# Allegro board 6089-119-RevB_08.brd (continued)
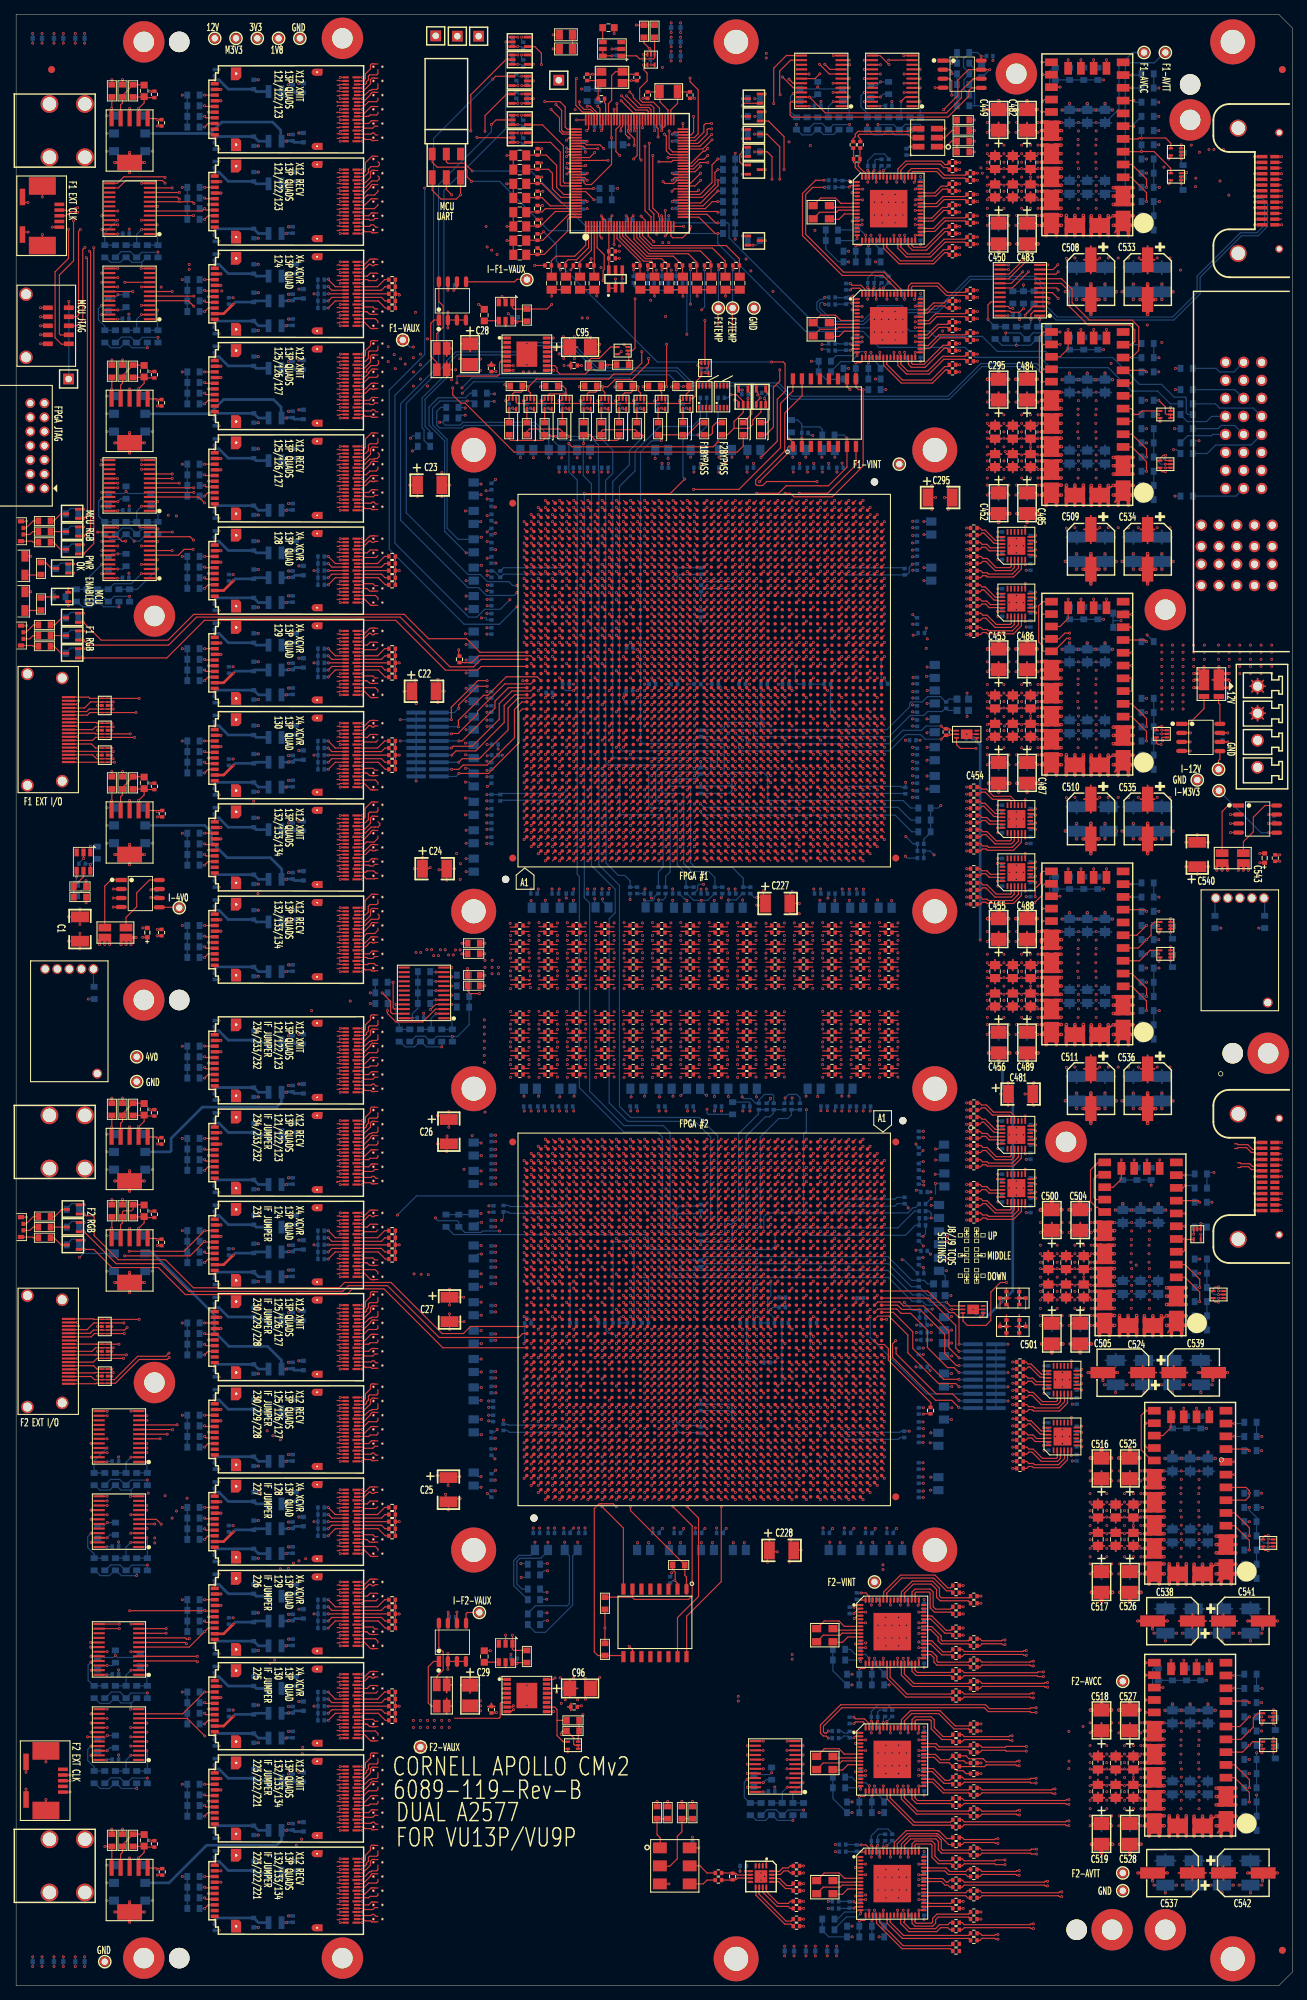
[diagram p0: board, top side]
## Routing (per net, layer and track width the routed paths; a pad name or vN(x,y) marks a point on that pad's centre or on a via; arc(x,y) is an arc through that point) (continued)
  TOP w0.38: U24.2 v1(28.87,267.2) ; U16.6 v1(16,218.84) ; U16.6 v1(13.92,217.4) ; U16.6 v1(18.08,217.4) ; U16.6 v1(16,215.97) ; U19.6 v1(13.92,159.4) ; U19.6 v1(16,160.84) ; U19.6 v1(16,157.97) ; U19.6 v1(18.08,159.4) ; U28.2 v1(28.87,215.2) ; C537.2 v1(158.12,15.9) ; C537.2 v1(162.28,15.9) ; C537.2 v1(160.2,14.77) ; 175.7,51.4 v1(173.62,51.4) ; 175.7,51.4 C541.2 v1(177.78,51.4) ; 175.7,51.4 v1(175.7,50.27) ; U26.4 v1(28.87,239.6) ; U33.2 v1(28.87,150.2) ; U13.6 v1(16,258.34) ; U13.6 v1(13.92,256.9) ; U13.6 v1(18.08,256.9) ; U13.6 v1(16,255.47) ; C538.2 v1(162.28,51.4) ; C538.2 v1(160.2,50.27) ; C538.2 v1(158.12,51.4) ; U20.6 v1(16,114.84) ; U20.6 v1(13.92,113.4) ; U20.6 v1(18.08,113.4) ; U20.6 v1(16,111.97) ; v1(170.78,86.4) C539.2 168.7,86.4 ; U30.4 v1(28.87,187.6) ; U41.2 v1(28.87,42.2) ; v1(175.7,14.77) 175.7,15.9 ; 175.7,15.9 v1(173.62,15.9) ; 175.7,15.9 C542.2 v1(177.78,15.9) ; U25.4 v1(28.87,252.6) ; U24.4 v1(28.87,265.6) ; U37.4 v1(28.87,92.6) ; v1(168.7,85.27) 168.7,86.4 ; 168.7,86.4 v1(166.62,86.4) ; C524.2 v1(155.28,86.4) ; C524.2 v1(151.12,86.4) ; C524.2 v1(153.2,85.27) ; U37.2 v1(28.87,94.2) ; U38.4 v1(28.87,79.6) ; U40.4 v1(28.87,53.6) ; U22.6 v1(13.92,10.4) ; U22.6 v1(18.08,10.4) ; U22.6 v1(16,11.84) ; U22.6 v1(16,8.97) ; U21.6 v1(18.08,99.1) ; U21.6 v1(16,97.67) ; U21.6 v1(16,100.54) ; U21.6 v1(13.92,99.1) ; U30.2 v1(28.87,189.2) ; U32.4 v1(28.87,161.6) ; U32.2 v1(28.87,163.2) ; U29.2 v1(28.87,202.2) ; U29.4 v1(28.87,200.6) ; U25.2 v1(28.87,254.2) ; U39.2 v1(28.87,68.2) ; U28.4 v1(28.87,213.6) ; U31.4 v1(28.87,174.6) ; U31.2 v1(28.87,176.2) ; U42.4 v1(28.87,27.6) ; U39.4 v1(28.87,66.6) ; U27.4 v1(28.87,226.6) ; U35.2 v1(28.87,120.2) ; U36.2 v1(28.87,107.2) ; U38.2 v1(28.87,81.2) ; U42.2 v1(28.87,29.2) ; U33.4 v1(28.87,148.6) ; U40.2 v1(28.87,55.2) ; U27.2 v1(28.87,228.2) ; U26.2 v1(28.87,241.2) ; U36.4 v1(28.87,105.6) ; U35.4 v1(28.87,118.6) ; U41.4 v1(28.87,40.6) ; U34.4 v1(28.87,131.6) ; U34.2 v1(28.87,133.2)
  TOP w0.5: v1(147.41,109.36) C500.2 ; C500.2 v1(146,110.6) ; C500.2 144.44,109.36 144.44,109.29 v1(144.37,109.29) ; C536.2 v1(159.5,121.52) ; C536.2 v1(158.45,123.6) ; C536.2 v1(159.5,125.8) ; C536.2 v1(160.65,123.6) ; 170.55,25.95 171,25.5 v1(171.93,25.5) ; 170.55,25.95 170.55,26.68 ; 170.55,25.95 170.1,25.5 v1(169.17,25.5) ; 156.05,252.18 156.05,251.45 ; 156.05,252.18 v1(157.43,252.18) ; 156.05,252.18 v1(154.67,252.18) ; 156.05,252.18 156.05,252.8 ; 156.05,251.45 156.5,251 v1(157.43,251) ; 156.05,251.45 155.6,251 v1(154.67,251) ; 163.55,96.45 163.1,96 v1(162.17,96) ; 163.55,96.45 164,96 v1(164.93,96) ; 163.55,96.45 U109.2 ; U108.24 145.95,140.15 ; U108.24 v1(147.33,140.88) ; U108.24 145.95,141.5 ; U108.24 v1(144.57,140.88) ; 145.95,140.15 145.5,139.7 v1(144.57,139.7) ; 145.95,140.15 146.4,139.7 v1(147.33,139.7) ; C509.2 152.65,199.6 ; C509.2 150.45,199.6 ; C509.2 v1(151.5,197.52) ; C509.2 v1(151.5,201.8) ; 160.45,65.5 160.45,65.55 160.95,66.05 v1(161.83,66.05) ; 160.45,65.5 U117.24 ; 160.45,65.5 159.9,66.05 v1(159.07,66.05) ; v1(150.45,249.45) 150.45,248.57 149.95,248.07 149.93,248.07 ; v1(154.83,98.7) 153.9,98.7 153.45,99.15 ; 149.25,172.07 148.53,172.07 ; 149.25,172.07 149.93,172.07 ; 149.25,172.07 v1(149.25,173.45) ; 149.25,172.07 U107.27 v1(149.25,170.6) ; 148.53,172.07 148.05,172.55 v1(148.05,173.45) ; 148.53,172.07 148.05,171.6 v1(148.05,170.6) ; v1(164.95,21.1) 164.95,22.05 164.43,22.57 ; v1(144.59,90.44) C501.2 ; C501.2 v1(146,89.2) ; C501.2 v1(147.56,90.44) ; 149.93,172.07 149.95,172.07 150.45,172.57 v1(150.45,173.45) ; 149.93,172.07 150.45,171.55 v1(150.45,170.6) ; 149.25,134.07 v1(149.25,135.45) ; 149.25,134.07 148.53,134.07 ; 149.25,134.07 U108.27 v1(149.25,132.6) ; 149.25,134.07 149.93,134.07 ; 145.95,254.15 146.4,253.7 v1(147.33,253.7) ; 145.95,254.15 145.95,254.88 ; 145.95,254.15 145.5,253.7 v1(144.57,253.7) ; v1(158.45,161.6) C535.2 ; C535.2 v1(159.5,159.52) ; C535.2 v1(159.5,163.8) ; C535.2 v1(160.65,161.6) ; v1(147.33,180.05) 146.45,180.05 145.95,179.55 145.95,179.5 ; C487.2 v1(142.5,168.2) ; C487.2 v1(144.06,169.44) ; C487.2 v1(141.09,169.44) ; v1(164.95,56.6) 164.95,57.55 164.43,58.08 ; U106.2 156.05,213.45 ; U106.2 v1(154.67,214.18) ; U106.2 v1(157.43,214.18) ; U106.2 156.05,214.8 ; 156.05,213.45 155.6,213 v1(154.67,213) ; 156.05,213.45 156.5,213 v1(157.43,213) ; 153.45,100.5 152.9,101.05 v1(152.07,101.05) ; 153.45,100.5 U109.24 ; 153.45,100.5 153.45,100.55 153.95,101.05 v1(154.83,101.05) ; 163.75,58.08 163.03,58.08 ; 163.75,58.08 v1(163.75,59.45) ; 163.75,58.08 164.43,58.08 ; 163.75,58.08 v1(163.75,56.6) ; 163.03,58.08 162.55,57.6 v1(162.55,56.6) ; 163.03,58.08 162.55,58.55 v1(162.55,59.45) ; C511.2 152.65,123.6 ; C511.2 v1(151.5,125.8) ; C511.2 150.45,123.6 ; C511.2 v1(151.5,121.52) ; U117.24 160.45,64.15 ; U117.24 v1(159.07,64.88) ; U117.24 v1(161.83,64.88) ; 156.05,252.8 155.5,253.35 v1(154.67,253.35) ; 156.05,252.8 156.05,252.85 156.55,253.35 v1(157.43,253.35) ; v1(169.17,27.85) 170,27.85 170.55,27.3 ; v1(158.56,55.44) C526.2 ; C526.2 v1(155.59,55.44) ; C526.2 v1(157,54.2) ; 145.95,141.5 145.4,142.05 v1(144.57,142.05) ; 145.95,141.5 145.95,141.55 146.45,142.05 v1(147.33,142.05) ; C483.2 v1(142.5,244.2) ; C483.2 v1(141.09,245.44) ; C483.2 v1(144.06,245.44) ; v1(147.33,256.05) 146.45,256.05 145.95,255.55 145.95,255.5 ; v1(161.83,63.7) 160.9,63.7 160.45,64.15 ; v1(158.45,199.6) C534.2 ; C534.2 v1(159.5,201.8) ; C534.2 v1(159.5,197.52) ; C534.2 v1(160.65,199.6) ; 148.53,134.07 148.05,133.6 v1(148.05,132.6) ; 148.53,134.07 148.05,134.55 v1(148.05,135.45) ; v1(137.09,245.44) C450.2 ; C450.2 v1(138.5,244.2) ; C450.2 v1(140.06,245.44) ; 156.05,175.45 155.6,175 v1(154.67,175) ; 156.05,175.45 U107.2 ; 156.05,175.45 156.5,175 v1(157.43,175) ; 160.45,28.65 160.9,28.2 v1(161.83,28.2) ; 160.45,28.65 U118.24 ; 160.45,28.65 160,28.2 v1(159.07,28.2) ; 145.95,179.5 145.4,180.05 v1(144.57,180.05) ; 145.95,179.5 U107.24 ; 170.55,61.45 171,61 v1(171.93,61) ; 170.55,61.45 U117.2 ; 170.55,61.45 170.1,61 v1(169.17,61) ; 156.75,93.08 v1(156.75,94.45) ; 156.75,93.08 156.03,93.08 ; 156.75,93.08 157.43,93.08 ; 156.75,93.08 U109.27 v1(156.75,91.6) ; v1(140.94,226.36) C484.2 ; C484.2 v1(142.5,227.6) ; C484.2 v1(143.91,226.36) ; v1(140.94,188.36) C486.2 ; C486.2 v1(143.91,188.36) ; C486.2 v1(142.5,189.6) ; U109.24 v1(152.07,99.88) ; U109.24 v1(154.83,99.88) ; U109.24 153.45,99.15 ; 145.95,217.5 U106.24 ; 145.95,217.5 145.4,218.05 v1(144.57,218.05) ; 145.95,217.5 145.95,217.55 146.45,218.05 v1(147.33,218.05) ; U106.24 145.95,216.15 ; U106.24 v1(144.57,216.88) ; U106.24 v1(147.33,216.88) ; v1(171.93,63.35) 171.05,63.35 170.55,62.85 170.55,62.8 ; v1(155.44,38.86) C527.2 ; C527.2 v1(158.41,38.86) ; C527.2 v1(157,40.1) ; U108.2 v1(154.67,138.18) ; U108.2 v1(157.43,138.18) ; U108.2 156.05,138.8 ; U108.2 156.05,137.45 ; v1(144.57,256.05) 145.4,256.05 145.95,255.5 ; 163.55,97.8 163.55,97.85 164.05,98.35 v1(164.93,98.35) ; 163.55,97.8 163,98.35 v1(162.17,98.35) ; 163.55,97.8 U109.2 ; C516.2 v1(153,75.6) ; C516.2 v1(151.44,74.36) ; C516.2 v1(154.41,74.36) ; v1(148.44,109.36) C504.2 ; C504.2 v1(151.41,109.36) ; C504.2 v1(150,110.6) ; C454.2 v1(138.5,168.2) ; C454.2 v1(137.09,169.44) ; C454.2 v1(140.06,169.44) ; C508.2 150.45,237.6 ; C508.2 152.65,237.6 ; C508.2 v1(151.5,239.8) ; C508.2 v1(151.5,235.52) ; 160.45,30 159.9,30.55 v1(159.07,30.55) ; 160.45,30 U118.24 ; 160.45,30 160.45,30.05 160.95,30.55 v1(161.83,30.55) ; 153.45,99.15 153,98.7 v1(152.07,98.7) ; U117.2 v1(171.93,62.17) ; U117.2 170.55,62.8 ; U117.2 v1(169.17,62.17) ; v1(164.95,23.95) 164.95,23.07 164.45,22.57 164.43,22.57 ; 156.05,137.45 156.5,137 v1(157.43,137) ; 156.05,137.45 155.6,137 v1(154.67,137) ; v1(171.93,27.85) 171.05,27.85 170.55,27.35 170.55,27.3 ; C518.2 v1(153,40.1) ; C518.2 v1(151.44,38.86) ; C518.2 v1(154.41,38.86) ; C510.2 152.65,161.6 ; C510.2 150.45,161.6 ; C510.2 v1(151.5,159.52) ; C510.2 v1(151.5,163.8) ; 163.03,22.57 162.55,22.1 v1(162.55,21.1) ; 163.03,22.57 163.75,22.57 ; 163.03,22.57 162.55,23.05 v1(162.55,23.95) ; C488.2 v1(142.5,151.6) ; C488.2 v1(140.94,150.36) ; C488.2 v1(143.91,150.36) ; 149.93,210.07 149.25,210.07 ; 149.93,210.07 150.45,209.55 v1(150.45,208.6) ; 149.93,210.07 149.95,210.07 150.45,210.57 v1(150.45,211.45) ; 149.25,210.07 148.53,210.07 ; 149.25,210.07 v1(149.25,211.45) ; 149.25,210.07 U106.27 v1(149.25,208.6) ; v1(136.94,150.36) C455.2 ; C455.2 v1(138.5,151.6) ; C455.2 v1(139.91,150.36) ; v1(148.05,246.6) 148.05,247.6 148.53,248.07 ; U109.2 v1(164.93,97.17) ; U109.2 v1(162.17,97.17) ; 145.95,254.88 v1(144.57,254.88) ; 145.95,254.88 v1(147.33,254.88) ; 145.95,254.88 145.95,255.5 ; v1(158.41,74.36) C525.2 ; C525.2 v1(157,75.6) ; C525.2 v1(155.44,74.36) ; 170.55,62.8 170,63.35 v1(169.17,63.35) ; 163.75,22.57 U118.27 v1(163.75,21.1) ; 163.75,22.57 v1(163.75,23.95) ; 163.75,22.57 164.43,22.57 ; 156.05,214.8 156.05,214.85 156.55,215.35 v1(157.43,215.35) ; 156.05,214.8 155.5,215.35 v1(154.67,215.35) ; v1(150.45,135.45) 150.45,134.57 149.95,134.07 149.93,134.07 ; v1(144.57,177.7) 145.5,177.7 145.95,178.15 ; v1(140.06,207.44) C452.2 ; C452.2 v1(138.5,206.2) ; C452.2 v1(137.09,207.44) ; 145.95,178.15 146.4,177.7 v1(147.33,177.7) ; 145.95,178.15 U107.24 ; U107.24 v1(144.57,178.88) ; U107.24 v1(147.33,178.88) ; 149.93,248.07 149.25,248.07 ; 149.93,248.07 150.45,247.55 v1(150.45,246.6) ; 149.25,248.07 U105.27 v1(149.25,246.6) ; 149.25,248.07 148.53,248.07 ; 149.25,248.07 v1(149.25,249.45) ; v1(154.56,19.94) C519.2 ; C519.2 v1(151.59,19.94) ; C519.2 v1(153,18.7) ; 148.53,210.07 148.05,209.6 v1(148.05,208.6) ; 148.53,210.07 148.05,210.55 v1(148.05,211.45) ; v1(137.09,131.44) C456.2 ; C456.2 v1(138.5,130.2) ; C456.2 v1(140.06,131.44) ; v1(157.43,139.35) 156.55,139.35 156.05,138.85 156.05,138.8 ; v1(139.91,226.36) C451.2 ; C451.2 v1(136.94,226.36) ; C451.2 v1(138.5,227.6) ; v1(151.56,90.44) C505.2 ; C505.2 v1(148.59,90.44) ; C505.2 v1(150,89.2) ; C528.2 v1(157,18.7) ; C528.2 v1(158.56,19.94) ; C528.2 v1(155.59,19.94) ; 149.93,134.07 150.45,133.55 v1(150.45,132.6) ; 156.03,93.08 155.55,92.6 v1(155.55,91.6) ; 156.03,93.08 155.55,93.55 v1(155.55,94.45) ; C533.2 v1(160.65,237.6) ; C533.2 v1(158.45,237.6) ; C533.2 v1(159.5,235.52) ; C533.2 v1(159.5,239.8) ; v1(141.09,131.44) C489.2 ; C489.2 v1(144.06,131.44) ; C489.2 v1(142.5,130.2) ; 164.43,58.08 164.45,58.08 164.95,58.58 v1(164.95,59.45) ; v1(144.06,207.44) C485.2 ; C485.2 v1(142.5,206.2) ; C485.2 v1(141.09,207.44) ; U118.24 v1(159.07,29.38) ; U118.24 v1(161.83,29.38) ; 148.53,248.07 148.05,248.55 v1(148.05,249.45) ; 160.45,64.15 160,63.7 v1(159.07,63.7) ; 170.55,26.68 170.55,27.3 ; 170.55,26.68 v1(169.17,26.68) ; 170.55,26.68 v1(171.93,26.68) ; v1(136.94,188.36) C453.2 ; C453.2 v1(138.5,189.6) ; C453.2 v1(139.91,188.36) ; 156.05,138.8 155.5,139.35 v1(154.67,139.35) ; v1(139.91,264.36) C449.2 ; C449.2 v1(138.5,265.6) ; C449.2 v1(136.94,264.36) ; C517.2 v1(153,54.2) ; C517.2 v1(151.59,55.44) ; C517.2 v1(154.56,55.44) ; 145.95,216.15 146.4,215.7 v1(147.33,215.7) ; 145.95,216.15 145.5,215.7 v1(144.57,215.7) ; 157.43,93.08 157.95,92.55 v1(157.95,91.6) ; 157.43,93.08 157.45,93.08 157.95,93.58 v1(157.95,94.45) ; v1(157.43,177.35) 156.55,177.35 156.05,176.85 156.05,176.8 ; v1(140.94,264.36) C482.2 ; C482.2 v1(142.5,265.6) ; C482.2 v1(143.91,264.36) ; U107.2 v1(154.67,176.18) ; U107.2 156.05,176.8 ; U107.2 v1(157.43,176.18) ; v1(154.67,177.35) 155.5,177.35 156.05,176.8
  GND1 w0.254: VA40.3 51.96,168.58 ; VA40.3 52.05,168.71 ; VA40.3 51.63,169.28 ; VA40.3 51.82,169.31 ; VA40.3 52.02,168.9 ; VA40.3 52.05,169.09 ; VA40.3 51.63,168.52 ; VA40.3 51.96,169.22 ; VA46.4 51.96,156.08 ; VA46.4 51.63,156.78 ; VA46.4 52.02,156.4 ; VA46.4 51.63,156.02 ; VA46.4 52.05,156.59 ; VA46.4 51.96,156.72 ; VA46.4 51.82,156.81 ; VA46.4 52.05,156.21 ; VA60.3 50.37,121.78 ; VA60.3 49.95,121.59 ; VA60.3 50.18,120.99 ; VA60.3 50.37,121.02 ; VA60.3 50.04,121.72 ; VA60.3 49.95,121.21 ; VA60.3 49.98,121.4 ; VA60.3 50.04,121.08 ; 49.98,82.4 VA76.3 ; VA76.3 49.95,82.59 ; VA76.3 50.04,82.08 ; VA76.3 50.18,81.99 ; VA76.3 50.37,82.78 ; VA76.3 49.95,82.21 ; VA76.3 50.37,82.02 ; VA76.3 50.04,82.72 ; VA66.4 51.96,107.22 ; VA66.4 51.63,107.28 ; VA66.4 51.96,106.58 ; VA66.4 52.05,106.71 ; VA66.4 52.05,107.09 ; VA66.4 51.82,107.31 ; VA66.4 52.02,106.9 ; VA66.4 51.63,106.52 ; 49.95,78.59 VA78.3 ; VA78.3 50.04,78.08 ; VA78.3 50.04,78.72 ; VA78.3 50.18,77.99 ; VA78.3 49.98,78.4 ; VA78.3 50.37,78.78 ; VA78.3 49.95,78.21 ; VA78.3 50.37,78.02 ; 50.04,36.58 VA91.4 ; VA91.4 50.18,36.49 ; VA91.4 49.95,36.71 ; VA91.4 50.04,37.22 ; VA91.4 49.98,36.9 ; VA91.4 49.95,37.09 ; VA91.4 50.37,37.28 ; VA91.4 50.37,36.52 ; VA82.4 51.96,67.58 ; VA82.4 51.96,68.22 ; VA82.4 51.82,68.31 ; VA82.4 52.05,67.71 ; VA82.4 52.05,68.09 ; VA82.4 51.63,68.28 ; VA82.4 51.63,67.52 ; VA82.4 52.02,67.9 ; 49.95,80.21 VA77.3 ; VA77.3 50.37,80.78 ; VA77.3 50.04,80.72 ; VA77.3 49.95,80.59 ; VA77.3 50.04,80.08 ; VA77.3 50.18,79.99 ; VA77.3 49.98,80.4 ; VA77.3 50.37,80.02 ; 51.63,99.52 VA68.3 ; VA68.3 51.63,100.28 ; VA68.3 52.02,99.9 ; VA68.3 51.96,100.22 ; VA68.3 51.96,99.58 ; VA68.3 51.82,100.31 ; VA68.3 52.05,99.71 ; VA68.3 52.05,100.09 ; VA81.4 52.05,69.71 ; VA81.4 51.63,70.28 ; VA81.4 52.05,70.09 ; VA81.4 51.63,69.52 ; VA81.4 51.82,70.31 ; VA81.4 51.96,70.22 ; VA81.4 51.96,69.58 ; VA81.4 52.02,69.9 ; 49.95,32.21 VA93.3 ; VA93.3 50.04,32.08 ; VA93.3 50.04,32.72 ; VA93.3 50.37,32.78 ; VA93.3 49.95,32.59 ; VA93.3 49.98,32.4 ; VA93.3 50.18,31.99 ; VA93.3 50.37,32.02 ; VA1.4 51.96,270.72 ; VA1.4 52.02,270.4 ; VA1.4 52.05,270.59 ; VA1.4 51.63,270.02 ; VA1.4 51.63,270.78 ; VA1.4 52.05,270.21 ; VA1.4 51.82,270.81 ; VA1.4 51.96,270.08 ; VA72.3 50.37,91.78 ; VA72.3 50.04,91.08 ; VA72.3 50.18,90.99 ; VA72.3 49.98,91.4 ; VA72.3 50.37,91.02 ; VA72.3 49.95,91.21 ; VA72.3 49.95,91.59 ; VA72.3 50.04,91.72 ; VA81.3 50.37,70.28 ; VA81.3 49.95,70.09 ; VA81.3 50.04,70.22 ; VA81.3 50.04,69.58 ; VA81.3 49.95,69.71 ; VA81.3 50.18,69.49 ; VA81.3 49.98,69.9 ; VA81.3 50.37,69.52 ; 50.37,47.52 VA88.4 ; VA88.4 50.04,48.22 ; VA88.4 50.04,47.58 ; VA88.4 49.98,47.9 ; VA88.4 50.37,48.28 ; VA88.4 50.18,47.49 ; VA88.4 49.95,47.71 ; VA88.4 49.95,48.09 ; VA49.4 52.05,149.21 ; VA49.4 51.96,149.08 ; VA49.4 51.63,149.02 ; VA49.4 51.96,149.72 ; VA49.4 52.05,149.59 ; VA49.4 52.02,149.4 ; VA49.4 51.82,149.81 ; VA49.4 51.63,149.78 ; VA103.4 52.05,11.59 ; VA103.4 51.63,11.78 ; VA103.4 51.96,11.08 ; VA103.4 51.96,11.72 ; VA103.4 51.63,11.02 ; VA103.4 52.05,11.21 ; VA103.4 51.82,11.81 ; VA103.4 52.02,11.4 ; VA36.3 52.05,182.09 ; VA36.3 51.63,182.28 ; VA36.3 51.63,181.52 ; VA36.3 52.02,181.9 ; VA36.3 51.96,181.58 ; VA36.3 52.05,181.71 ; VA36.3 51.82,182.31 ; VA36.3 51.96,182.22 ; J5.22 7.31,185.07 ; J5.22 5.43,184.26 ; J5.22 5.69,183.46 ; J5.22 6.5,183.2 ; J5.22 6.5,185.33 ; J5.22 7.57,184.26 ; J5.22 5.69,185.07 ; J5.22 7.31,183.46 ; 103.33,235.73 PM16.1 ; PM16.1 103.12,236.4 ; PM16.1 104,237.28 ; PM16.1 104.67,237.07 ; PM16.1 104.67,235.73 ; PM16.1 103.33,237.07 ; PM16.1 104.88,236.4 ; PM16.1 104,235.52 ; J6.20 2.4,80.75 ; J6.20 2.64,82 ; J6.20 2.05,82.6 ; J6.20 2.66,81.55 ; J6.20 1.6,80.48 ; J6.20 1.15,80.51 ; J6.20 1.6,82.62 ; J6.20 2.4,82.36 ; 50.37,158.02 VA45.3 ; VA45.3 50.04,158.72 ; VA45.3 50.04,158.08 ; VA45.3 49.98,158.4 ; VA45.3 49.95,158.59 ; VA45.3 49.95,158.21 ; VA45.3 50.18,157.99 ; VA45.3 50.37,158.78 ; 49.95,175.71 VA38.3 ; VA38.3 50.37,176.28 ; VA38.3 49.95,176.09 ; VA38.3 50.37,175.52 ; VA38.3 49.98,175.9 ; VA38.3 50.18,175.49 ; VA38.3 50.04,176.22 ; VA38.3 50.04,175.58 ; 50.37,151.02 VA48.3 ; VA48.3 50.37,151.78 ; VA48.3 50.04,151.72 ; VA48.3 50.18,150.99 ; VA48.3 49.98,151.4 ; VA48.3 50.04,151.08 ; VA48.3 49.95,151.59 ; VA48.3 49.95,151.21 ; VA86.4 52.02,54.9 ; VA86.4 52.05,55.09 ; VA86.4 52.05,54.71 ; VA86.4 51.82,55.31 ; VA86.4 51.96,55.22 ; VA86.4 51.63,54.52 ; VA86.4 51.63,55.28 ; VA86.4 51.96,54.58 ; 49.95,240.71 VA14.3 ; VA14.3 49.98,240.9 ; VA14.3 49.95,241.09 ; VA14.3 50.04,241.22 ; VA14.3 50.37,240.52 ; VA14.3 50.37,241.28 ; VA14.3 50.04,240.58 ; VA14.3 50.18,240.49 ; 49.95,251.59 VA10.3 ; VA10.3 50.37,251.02 ; VA10.3 49.95,251.21 ; VA10.3 50.04,251.72 ; VA10.3 50.18,250.99 ; VA10.3 50.37,251.78 ; VA10.3 50.04,251.08 ; VA10.3 49.98,251.4 ; 50.04,149.72 VA49.3 ; VA49.3 50.18,148.99 ; VA49.3 50.37,149.78 ; VA49.3 49.95,149.59 ; VA49.3 50.04,149.08 ; VA49.3 49.98,149.4 ; VA49.3 50.37,149.02 ; VA49.3 49.95,149.21 ; 49.95,115.21 VA63.3 ; VA63.3 50.18,114.99 ; VA63.3 50.37,115.78 ; VA63.3 49.98,115.4 ; VA63.3 49.95,115.59 ; VA63.3 50.37,115.02 ; VA63.3 50.04,115.72 ; VA63.3 50.04,115.08 ; VA104.4 52.02,9.4 ; VA104.4 51.82,9.81 ; VA104.4 51.63,9.78 ; VA104.4 51.96,9.08 ; VA104.4 52.05,9.59 ; VA104.4 51.63,9.02 ; VA104.4 51.96,9.72 ; VA104.4 52.05,9.21 ; 50.37,156.02 VA46.3 ; VA46.3 49.95,156.21 ; VA46.3 49.98,156.4 ; VA46.3 50.18,155.99 ; VA46.3 50.04,156.72 ; VA46.3 49.95,156.59 ; VA46.3 50.37,156.78 ; VA46.3 50.04,156.08 ; VA93.4 52.05,32.21 ; VA93.4 51.96,32.72 ; VA93.4 51.63,32.02 ; VA93.4 52.02,32.4 ; VA93.4 51.82,32.81 ; VA93.4 52.05,32.59 ; VA93.4 51.96,32.08 ; VA93.4 51.63,32.78 ; VA27.4 51.63,210.78 ; VA27.4 52.05,210.59 ; VA27.4 52.02,210.4 ; VA27.4 52.05,210.21 ; VA27.4 51.82,210.81 ; VA27.4 51.96,210.72 ; VA27.4 51.63,210.02 ; VA27.4 51.96,210.08 ; VA19.4 51.96,227.72 ; VA19.4 51.96,227.08 ; VA19.4 52.05,227.21 ; VA19.4 52.05,227.59 ; VA19.4 51.63,227.02 ; VA19.4 52.02,227.4 ; VA19.4 51.82,227.81 ; VA19.4 51.63,227.78 ; 50.18,242.49 VA13.3 ; VA13.3 49.98,242.9 ; VA13.3 50.04,243.22 ; VA13.3 50.37,242.52 ; VA13.3 49.95,243.09 ; VA13.3 49.95,242.71 ; VA13.3 50.04,242.58 ; VA13.3 50.37,243.28 ; 51.63,56.52 VA85.4 ; VA85.4 52.02,56.9 ; VA85.4 51.63,57.28 ; VA85.4 52.05,56.71 ; VA85.4 52.05,57.09 ; VA85.4 51.96,57.22 ; VA85.4 51.96,56.58 ; VA85.4 51.82,57.31 ; 50.18,146.99 VA50.3 ; VA50.3 50.37,147.02 ; VA50.3 49.95,147.21 ; VA50.3 50.04,147.72 ; VA50.3 49.98,147.4 ; VA50.3 50.04,147.08 ; VA50.3 49.95,147.59 ; VA50.3 50.37,147.78 ; 50.04,143.72 VA52.3 ; VA52.3 49.95,143.21 ; VA52.3 50.04,143.08 ; VA52.3 50.37,143.78 ; VA52.3 49.95,143.59 ; VA52.3 50.18,142.99 ; VA52.3 49.98,143.4 ; VA52.3 50.37,143.02 ; VA17.4 52.05,231.21 ; VA17.4 51.63,231.78 ; VA17.4 52.02,231.4 ; VA17.4 51.96,231.08 ; VA17.4 51.63,231.02 ; VA17.4 51.96,231.72 ; VA17.4 51.82,231.81 ; VA17.4 52.05,231.59 ; VA88.3 51.82,48.31 ; VA88.3 52.02,47.9 ; VA88.3 51.96,48.22 ; VA88.3 51.96,47.58 ; VA88.3 51.63,48.28 ; VA88.3 52.05,48.09 ; VA88.3 51.63,47.52 ; VA88.3 52.05,47.71 ; VA80.4 52.05,74.21 ; VA80.4 51.96,74.72 ; VA80.4 52.02,74.4 ; VA80.4 51.96,74.08 ; VA80.4 51.63,74.78 ; VA80.4 52.05,74.59 ; VA80.4 51.63,74.02 ; VA80.4 51.82,74.81 ; 50.37,160.02 VA44.3 ; VA44.3 49.95,160.59 ; VA44.3 50.04,160.72 ; VA44.3 49.98,160.4 ; VA44.3 50.37,160.78 ; VA44.3 49.95,160.21 ; VA44.3 50.04,160.08 ; VA44.3 50.18,159.99 ; VA83.3 51.96,62.58 ; VA83.3 52.02,62.9 ; VA83.3 51.96,63.22 ; VA83.3 51.82,63.31 ; VA83.3 51.63,63.28 ; VA83.3 52.05,63.09 ; VA83.3 51.63,62.52 ; VA83.3 52.05,62.71 ; VA89.3 50.37,44.28 ; VA89.3 50.04,43.58 ; VA89.3 49.98,43.9 ; VA89.3 50.37,43.52 ; VA89.3 49.95,44.09 ; VA89.3 50.04,44.22 ; VA89.3 50.18,43.49 ; VA89.3 49.95,43.71 ; 49.98,145.4 VA51.3 ; VA51.3 49.95,145.21 ; VA51.3 50.04,145.72 ; VA51.3 49.95,145.59 ; VA51.3 50.37,145.02 ; VA51.3 50.04,145.08 ; VA51.3 50.37,145.78 ; VA51.3 50.18,144.99 ; VA60.4 52.05,121.59 ; VA60.4 52.05,121.21 ; VA60.4 51.63,121.02 ; VA60.4 51.96,121.72 ; VA60.4 51.63,121.78 ; VA60.4 51.96,121.08 ; VA60.4 51.82,121.81 ; VA60.4 52.02,121.4 ; VA59.4 51.82,123.81 ; VA59.4 51.63,123.78 ; VA59.4 52.05,123.59 ; VA59.4 52.05,123.21 ; VA59.4 51.96,123.08 ; VA59.4 51.63,123.02 ; VA59.4 52.02,123.4 ; VA59.4 51.96,123.72 ; 50.37,233.52 VA16.4 ; VA16.4 50.18,233.49 ; VA16.4 50.04,234.22 ; VA16.4 49.98,233.9 ; VA16.4 50.04,233.58 ; VA16.4 49.95,233.71 ; VA16.4 50.37,234.28 ; VA16.4 49.95,234.09 ; 50.04,202.22 VA30.3 ; VA30.3 49.95,201.71 ; VA30.3 50.04,201.58 ; VA30.3 49.95,202.09 ; VA30.3 50.37,202.28 ; VA30.3 49.98,201.9 ; VA30.3 50.37,201.52 ; VA30.3 50.18,201.49 ; VA67.3 52.05,102.09 ; VA67.3 51.96,102.22 ; VA67.3 51.82,102.31 ; VA67.3 51.63,101.52 ; VA67.3 52.05,101.71 ; VA67.3 51.96,101.58 ; VA67.3 52.02,101.9 ; VA67.3 51.63,102.28 ; VA43.4 51.96,162.08 ; VA43.4 51.96,162.72 ; VA43.4 52.05,162.21 ; VA43.4 51.63,162.78 ; VA43.4 51.82,162.81 ; VA43.4 52.05,162.59 ; VA43.4 52.02,162.4 ; VA43.4 51.63,162.02 ; 156,12.52 PM21.1 ; PM21.1 156,14.28 ; PM21.1 155.12,13.4 ; PM21.1 155.33,12.73 ; PM21.1 156.88,13.4 ; PM21.1 155.33,14.07 ; PM21.1 156.67,12.73 ; PM21.1 156.67,14.07 ; VA69.4 52.05,97.59 ; VA69.4 51.63,97.78 ; VA69.4 52.05,97.21 ; VA69.4 51.96,97.72 ; VA69.4 51.96,97.08 ; VA69.4 52.02,97.4 ; VA69.4 51.63,97.02 ; VA69.4 51.82,97.81 ; 51.63,257.02 VA7.4 ; VA7.4 52.05,257.21 ; VA7.4 51.82,257.81 ; VA7.4 51.96,257.08 ; VA7.4 51.63,257.78 ; VA7.4 52.02,257.4 ; VA7.4 51.96,257.72 ; VA7.4 52.05,257.59 ; 50.18,54.49 VA86.3 ; VA86.3 50.37,55.28 ; VA86.3 49.95,54.71 ; VA86.3 50.04,54.58 ; VA86.3 49.98,54.9 ; VA86.3 49.95,55.09 ; VA86.3 50.04,55.22 ; VA86.3 50.37,54.52 ; VA57.4 51.82,128.81 ; VA57.4 52.05,128.59 ; VA57.4 51.63,128.02 ; VA57.4 52.05,128.21 ; VA57.4 51.63,128.78 ; VA57.4 51.96,128.08 ; VA57.4 51.96,128.72 ; VA57.4 52.02,128.4 ; VA13.4 51.63,243.28 ; VA13.4 51.82,243.31 ; VA13.4 52.05,243.09 ; VA13.4 52.05,242.71 ; VA13.4 52.02,242.9 ; VA13.4 51.63,242.52 ; VA13.4 51.96,242.58 ; VA13.4 51.96,243.22 ; 49.98,76.4 VA79.3 ; VA79.3 50.37,76.02 ; VA79.3 50.18,75.99 ; VA79.3 50.04,76.08 ; VA79.3 50.04,76.72 ; VA79.3 49.95,76.21 ; VA79.3 49.95,76.59 ; VA79.3 50.37,76.78 ; VA61.4 52.02,119.4 ; VA61.4 51.63,119.78 ; VA61.4 51.82,119.81 ; VA61.4 51.96,119.08 ; VA61.4 52.05,119.21 ; VA61.4 51.96,119.72 ; VA61.4 51.63,119.02 ; VA61.4 52.05,119.59 ; VA2.4 51.82,268.81 ; VA2.4 52.02,268.4 ; VA2.4 51.96,268.72 ; VA2.4 51.96,268.08 ; VA2.4 51.63,268.02 ; VA2.4 51.63,268.78 ; VA2.4 52.05,268.59 ; VA2.4 52.05,268.21 ; VA34.4 52.02,188.9 ; VA34.4 51.63,189.28 ; VA34.4 51.96,188.58 ; VA34.4 51.63,188.52 ; VA34.4 52.05,189.09 ; VA34.4 51.82,189.31 ; VA34.4 52.05,188.71 ; VA34.4 51.96,189.22 ; VA73.4 52.05,89.21 ; VA73.4 51.63,89.78 ; VA73.4 51.82,89.81 ; VA73.4 51.63,89.02 ; VA73.4 52.05,89.59 ; VA73.4 51.96,89.72 ; VA73.4 52.02,89.4 ; VA73.4 51.96,89.08 ; 11.62,3.4 PM1.1 ; PM1.1 11.83,4.07 ; PM1.1 11.83,2.73 ; PM1.1 13.38,3.4 ; PM1.1 13.17,4.07 ; PM1.1 13.17,2.73 ; PM1.1 12.5,2.52 ; PM1.1 12.5,4.28 ; 51.63,216.02 VA24.4 ; VA24.4 51.63,216.78 ; VA24.4 51.96,216.08 ; VA24.4 52.05,216.59 ; VA24.4 52.02,216.4 ; VA24.4 51.96,216.72 ; VA24.4 51.82,216.81 ; VA24.4 52.05,216.21 ; VA76.4 51.82,82.81 ; VA76.4 52.05,82.59 ; VA76.4 51.96,82.72 ; VA76.4 51.63,82.02 ; VA76.4 52.05,82.21 ; VA76.4 52.02,82.4 ; VA76.4 51.96,82.08 ; VA76.4 51.63,82.78 ; 50.37,188.52 VA34.3 ; VA34.3 50.37,189.28 ; VA34.3 49.95,189.09 ; VA34.3 50.04,189.22 ; VA34.3 50.18,188.49 ; VA34.3 49.98,188.9 ; VA34.3 50.04,188.58 ; VA34.3 49.95,188.71 ; 49.98,117.4 VA62.3 ; VA62.3 49.95,117.21 ; VA62.3 50.04,117.72 ; VA62.3 50.37,117.02 ; VA62.3 49.95,117.59 ; VA62.3 50.37,117.78 ; VA62.3 50.18,116.99 ; VA62.3 50.04,117.08 ; VA53.4 51.63,136.78 ; VA53.4 51.96,136.72 ; VA53.4 51.96,136.08 ; VA53.4 51.82,136.81 ; VA53.4 51.63,136.02 ; VA53.4 52.05,136.59 ; VA53.4 52.02,136.4 ; VA53.4 52.05,136.21 ; 49.95,223.21 VA21.3 ; VA21.3 50.37,223.02 ; VA21.3 49.98,223.4 ; VA21.3 49.95,223.59 ; VA21.3 50.37,223.78 ; VA21.3 50.18,222.99 ; VA21.3 50.04,223.72 ; VA21.3 50.04,223.08 ; 50.18,73.99 VA80.3 ; VA80.3 49.95,74.21 ; VA80.3 50.37,74.78 ; VA80.3 50.04,74.08 ; VA80.3 49.98,74.4 ; VA80.3 50.37,74.02 ; VA80.3 49.95,74.59 ; VA80.3 50.04,74.72 ; VA9.4 51.82,253.81 ; VA9.4 51.63,253.78 ; VA9.4 52.05,253.21 ; VA9.4 51.96,253.72 ; VA9.4 51.96,253.08 ; VA9.4 52.02,253.4 ; VA9.4 51.63,253.02 ; VA9.4 52.05,253.59 ; 49.98,221.4 VA22.3 ; VA22.3 50.04,221.72 ; VA22.3 50.37,221.78 ; VA22.3 50.37,221.02 ; VA22.3 49.95,221.21 ; VA22.3 50.04,221.08 ; VA22.3 50.18,220.99 ; VA22.3 49.95,221.59 ; VA90.4 51.82,42.31 ; VA90.4 51.63,41.52 ; VA90.4 51.63,42.28 ; VA90.4 51.96,41.58 ; VA90.4 52.05,42.09 ; VA90.4 52.02,41.9 ; VA90.4 52.05,41.71 ; VA90.4 51.96,42.22 ; 50.37,255.02 VA8.3 ; VA8.3 49.95,255.59 ; VA8.3 50.04,255.08 ; VA8.3 50.18,254.99 ; VA8.3 49.95,255.21 ; VA8.3 50.37,255.78 ; VA8.3 49.98,255.4 ; VA8.3 50.04,255.72 ; VA78.4 51.96,78.72 ; VA78.4 52.05,78.59 ; VA78.4 51.63,78.02 ; VA78.4 52.02,78.4 ; VA78.4 51.63,78.78 ; VA78.4 51.82,78.81 ; VA78.4 51.96,78.08 ; VA78.4 52.05,78.21 ; VA39.3 51.96,171.22 ; VA39.3 51.82,171.31 ; VA39.3 51.63,170.52 ; VA39.3 52.05,170.71 ; VA39.3 51.96,170.58 ; VA39.3 51.63,171.28 ; VA39.3 52.02,170.9 ; VA39.3 52.05,171.09 ; VA98.4 51.82,22.81 ; VA98.4 51.96,22.08 ; VA98.4 51.96,22.72 ; VA98.4 52.05,22.59 ; VA98.4 52.02,22.4 ; VA98.4 52.05,22.21 ; VA98.4 51.63,22.78 ; VA98.4 51.63,22.02 ; VA77.4 52.02,80.4 ; VA77.4 51.82,80.81 ; VA77.4 51.63,80.02 ; VA77.4 51.96,80.72 ; VA77.4 51.63,80.78 ; VA77.4 52.05,80.21 ; VA77.4 51.96,80.08 ; VA77.4 52.05,80.59 ; VA102.4 52.05,13.21 ; VA102.4 51.63,13.02 ; VA102.4 52.05,13.59 ; VA102.4 51.96,13.08 ; VA102.4 51.96,13.72 ; VA102.4 51.63,13.78 ; VA102.4 52.02,13.4 ; VA102.4 51.82,13.81 ; 50.04,56.58 VA85.3 ; VA85.3 50.18,56.49 ; VA85.3 50.04,57.22 ; VA85.3 49.95,57.09 ; VA85.3 49.98,56.9 ; VA85.3 49.95,56.71 ; VA85.3 50.37,57.28 ; VA85.3 50.37,56.52 ; J5.21 7.31,170.54 ; J5.21 5.43,169.74 ; J5.21 5.69,170.54 ; J5.21 7.57,169.74 ; J5.21 5.69,168.93 ; J5.21 6.5,168.67 ; J5.21 7.31,168.93 ; J5.21 6.5,170.8 ; VA87.3 51.82,50.31 ; VA87.3 52.05,49.71 ; VA87.3 51.63,49.52 ; VA87.3 52.02,49.9 ; VA87.3 52.05,50.09 ; VA87.3 51.96,50.22 ; VA87.3 51.96,49.58 ; VA87.3 51.63,50.28 ; VA100.4 51.82,17.81 ; VA100.4 51.96,17.72 ; VA100.4 52.05,17.21 ; VA100.4 51.63,17.02 ; VA100.4 51.96,17.08 ; VA100.4 52.05,17.59 ; VA100.4 52.02,17.4 ; VA100.4 51.63,17.78 ; 49.98,26.4 VA96.3 ; VA96.3 50.37,26.02 ; VA96.3 50.37,26.78 ; VA96.3 50.04,26.08 ; VA96.3 50.04,26.72 ; VA96.3 50.18,25.99 ; VA96.3 49.95,26.21 ; VA96.3 49.95,26.59 ; 50.18,29.99 VA94.3 ; VA94.3 50.37,30.02 ; VA94.3 50.37,30.78 ; VA94.3 49.95,30.21 ; VA94.3 49.98,30.4 ; VA94.3 50.04,30.72 ; VA94.3 49.95,30.59 ; VA94.3 50.04,30.08 ; 49.95,99.71 VA68.4 ; VA68.4 50.37,99.52 ; VA68.4 49.98,99.9 ; VA68.4 50.04,99.58 ; VA68.4 49.95,100.09 ; VA68.4 50.37,100.28 ; VA68.4 50.04,100.22 ; VA68.4 50.18,99.49 ; 49.95,87.59 VA74.3 ; VA74.3 49.98,87.4 ; VA74.3 50.37,87.78 ; VA74.3 50.04,87.08 ; VA74.3 50.18,86.99 ; VA74.3 49.95,87.21 ; VA74.3 50.04,87.72 ; VA74.3 50.37,87.02 ; 49.98,108.9 VA65.3 ; VA65.3 50.04,108.58 ; VA65.3 50.37,108.52 ; VA65.3 50.18,108.49 ; VA65.3 50.04,109.22 ; VA65.3 49.95,109.09 ; VA65.3 49.95,108.71 ; VA65.3 50.37,109.28 ; 49.98,126.4 VA58.3 ; VA58.3 49.95,126.21 ; VA58.3 50.04,126.72 ; VA58.3 50.04,126.08 ; VA58.3 50.18,125.99 ; VA58.3 50.37,126.02 ; VA58.3 49.95,126.59 ; VA58.3 50.37,126.78 ; VA44.4 52.02,160.4 ; VA44.4 51.63,160.78 ; VA44.4 51.96,160.72 ; VA44.4 51.82,160.81 ; VA44.4 52.05,160.59 ; VA44.4 52.05,160.21 ; VA44.4 51.96,160.08 ; VA44.4 51.63,160.02 ; VA25.4 52.02,214.4 ; VA25.4 51.96,214.72 ; VA25.4 51.63,214.78 ; VA25.4 51.96,214.08 ; VA25.4 52.05,214.21 ; VA25.4 51.82,214.81 ; VA25.4 52.05,214.59 ; VA25.4 51.63,214.02 ; VA22.4 52.02,221.4 ; VA22.4 52.05,221.59 ; VA22.4 51.82,221.81 ; VA22.4 51.63,221.78 ; VA22.4 51.63,221.02 ; VA22.4 52.05,221.21 ; VA22.4 51.96,221.08 ; VA22.4 51.96,221.72 ; VA61.3 50.37,119.78 ; VA61.3 49.98,119.4 ; VA61.3 50.04,119.72 ; VA61.3 50.18,118.99 ; VA61.3 50.37,119.02 ; VA61.3 49.95,119.59 ; VA61.3 49.95,119.21 ; VA61.3 50.04,119.08 ; 49.98,262.4 VA5.3 ; VA5.3 49.95,262.59 ; VA5.3 50.04,262.08 ; VA5.3 50.37,262.02 ; VA5.3 50.04,262.72 ; VA5.3 50.37,262.78 ; VA5.3 50.18,261.99 ; VA5.3 49.95,262.21 ; VA95.4 51.96,28.72 ; VA95.4 52.05,28.59 ; VA95.4 52.05,28.21 ; VA95.4 51.63,28.02 ; VA95.4 52.02,28.4 ; VA95.4 51.82,28.81 ; VA95.4 51.96,28.08 ; VA95.4 51.63,28.78 ; PM9.1 40.67,273.73 ; PM9.1 40,275.28 ; PM9.1 39.33,275.07 ; PM9.1 39.12,274.4 ; PM9.1 39.33,273.73 ; PM9.1 40.88,274.4 ; PM9.1 40.67,275.07 ; PM9.1 40,273.52 ; 50.37,49.52 VA87.4 ; VA87.4 50.18,49.49 ; VA87.4 50.04,49.58 ; VA87.4 49.95,50.09 ; VA87.4 50.37,50.28 ; VA87.4 50.04,50.22 ; VA87.4 49.95,49.71 ; VA87.4 49.98,49.9 ; 50.37,218.02 VA23.3 ; VA23.3 49.95,218.59 ; VA23.3 49.98,218.4 ; VA23.3 50.18,217.99 ; VA23.3 50.04,218.72 ; VA23.3 50.37,218.78 ; VA23.3 49.95,218.21 ; VA23.3 50.04,218.08 ; 49.98,249.4 VA11.3 ; VA11.3 49.95,249.21 ; VA11.3 50.18,248.99 ; VA11.3 50.37,249.78 ; VA11.3 50.37,249.02 ; VA11.3 50.04,249.08 ; VA11.3 49.95,249.59 ; VA11.3 50.04,249.72 ; 50.18,213.99 VA25.3 ; VA25.3 49.95,214.21 ; VA25.3 49.95,214.59 ; VA25.3 50.04,214.72 ; VA25.3 49.98,214.4 ; VA25.3 50.37,214.78 ; VA25.3 50.04,214.08 ; VA25.3 50.37,214.02 ; 49.98,270.4 VA1.3 ; VA1.3 50.04,270.72 ; VA1.3 50.37,270.02 ; VA1.3 50.18,269.99 ; VA1.3 50.04,270.08 ; VA1.3 50.37,270.78 ; VA1.3 49.95,270.21 ; VA1.3 49.95,270.59 ; 51.63,158.02 VA45.4 ; VA45.4 51.63,158.78 ; VA45.4 51.96,158.72 ; VA45.4 51.82,158.81 ; VA45.4 51.96,158.08 ; VA45.4 52.05,158.21 ; VA45.4 52.02,158.4 ; VA45.4 52.05,158.59 ; 5.69,97.47 J6.22 ; J6.22 7.31,97.47 ; J6.22 7.31,95.86 ; J6.22 6.5,97.73 ; J6.22 5.43,96.66 ; J6.22 5.69,95.86 ; J6.22 7.57,96.66 ; J6.22 6.5,95.6 ; VA62.4 51.96,117.72 ; VA62.4 51.63,117.78 ; VA62.4 51.63,117.02 ; VA62.4 52.02,117.4 ; VA62.4 51.96,117.08 ; VA62.4 52.05,117.21 ; VA62.4 52.05,117.59 ; VA62.4 51.82,117.81 ; VA14.4 51.96,241.22 ; VA14.4 52.02,240.9 ; VA14.4 52.05,241.09 ; VA14.4 51.63,240.52 ; VA14.4 51.96,240.58 ; VA14.4 51.82,241.31 ; VA14.4 52.05,240.71 ; VA14.4 51.63,241.28 ; J5.23 2.64,185.3 ; J5.23 2.4,185.65 ; J5.23 1.15,183.8 ; J5.23 1.6,183.78 ; J5.23 2.4,184.04 ; J5.23 1.6,185.92 ; J5.23 2.66,184.85 ; J5.23 2.05,185.89 ; VA99.4 51.63,19.78 ; VA99.4 51.82,19.81 ; VA99.4 51.96,19.72 ; VA99.4 52.02,19.4 ; VA99.4 51.63,19.02 ; VA99.4 52.05,19.59 ; VA99.4 52.05,19.21 ; VA99.4 51.96,19.08 ; VA91.3 51.96,36.58 ; VA91.3 51.96,37.22 ; VA91.3 51.63,36.52 ; VA91.3 52.02,36.9 ; VA91.3 51.82,37.31 ; VA91.3 52.05,36.71 ; VA91.3 52.05,37.09 ; VA91.3 51.63,37.28 ; 51.63,208.02 VA28.4 ; VA28.4 51.82,208.81 ; VA28.4 52.05,208.21 ; VA28.4 52.05,208.59 ; VA28.4 51.96,208.08 ; VA28.4 51.63,208.78 ; VA28.4 51.96,208.72 ; VA28.4 52.02,208.4 ; VA47.4 51.96,153.72 ; VA47.4 51.63,153.02 ; VA47.4 52.05,153.21 ; VA47.4 51.82,153.81 ; VA47.4 52.02,153.4 ; VA47.4 51.96,153.08 ; VA47.4 51.63,153.78 ; VA47.4 52.05,153.59 ; VA24.3 50.37,216.78 ; VA24.3 49.95,216.21 ; VA24.3 50.37,216.02 ; VA24.3 50.04,216.08 ; VA24.3 49.98,216.4 ; VA24.3 50.04,216.72 ; VA24.3 50.18,215.99 ; VA24.3 49.95,216.59 ; VA29.3 50.37,204.28 ; VA29.3 50.37,203.52 ; VA29.3 49.98,203.9 ; VA29.3 49.95,204.09 ; VA29.3 50.04,204.22 ; VA29.3 50.18,203.49 ; VA29.3 50.04,203.58 ; VA29.3 49.95,203.71 ; 50.04,162.72 VA43.3 ; VA43.3 50.18,161.99 ; VA43.3 50.37,162.78 ; VA43.3 49.98,162.4 ; VA43.3 49.95,162.59 ; VA43.3 49.95,162.21 ; VA43.3 50.04,162.08 ; VA43.3 50.37,162.02 ; VA84.3 52.05,61.09 ; VA84.3 52.05,60.71 ; VA84.3 51.96,60.58 ; VA84.3 51.63,60.52 ; VA84.3 52.02,60.9 ; VA84.3 51.82,61.31 ; VA84.3 51.96,61.22 ; VA84.3 51.63,61.28 ; VA10.4 52.05,251.59 ; VA10.4 51.96,251.08 ; VA10.4 51.63,251.02 ; VA10.4 51.82,251.81 ; VA10.4 51.96,251.72 ; VA10.4 52.05,251.21 ; VA10.4 51.63,251.78 ; VA10.4 52.02,251.4 ; 49.95,257.59 VA7.3 ; VA7.3 50.37,257.78 ; VA7.3 49.95,257.21 ; VA7.3 50.04,257.08 ; VA7.3 50.18,256.99 ; VA7.3 49.98,257.4 ; VA7.3 50.37,257.02 ; VA7.3 50.04,257.72 ; J5.20 2.66,169.15 ; J5.20 1.6,170.22 ; J5.20 2.64,169.6 